# Altium PCB main_io.PcbDoc (part 3 of 3)
Units mm, origin at the board's own origin, x right, y up, seen from the top; angles counter-clockwise.
Board outline 171.45 x 117.09 mm, 4 copper layers (Top Layer, Int1 (GND), Int2 (PWR), Bottom Layer), stack 1.369 mm thick; 229 components, 139 nets, 971 pads, 253 vias.
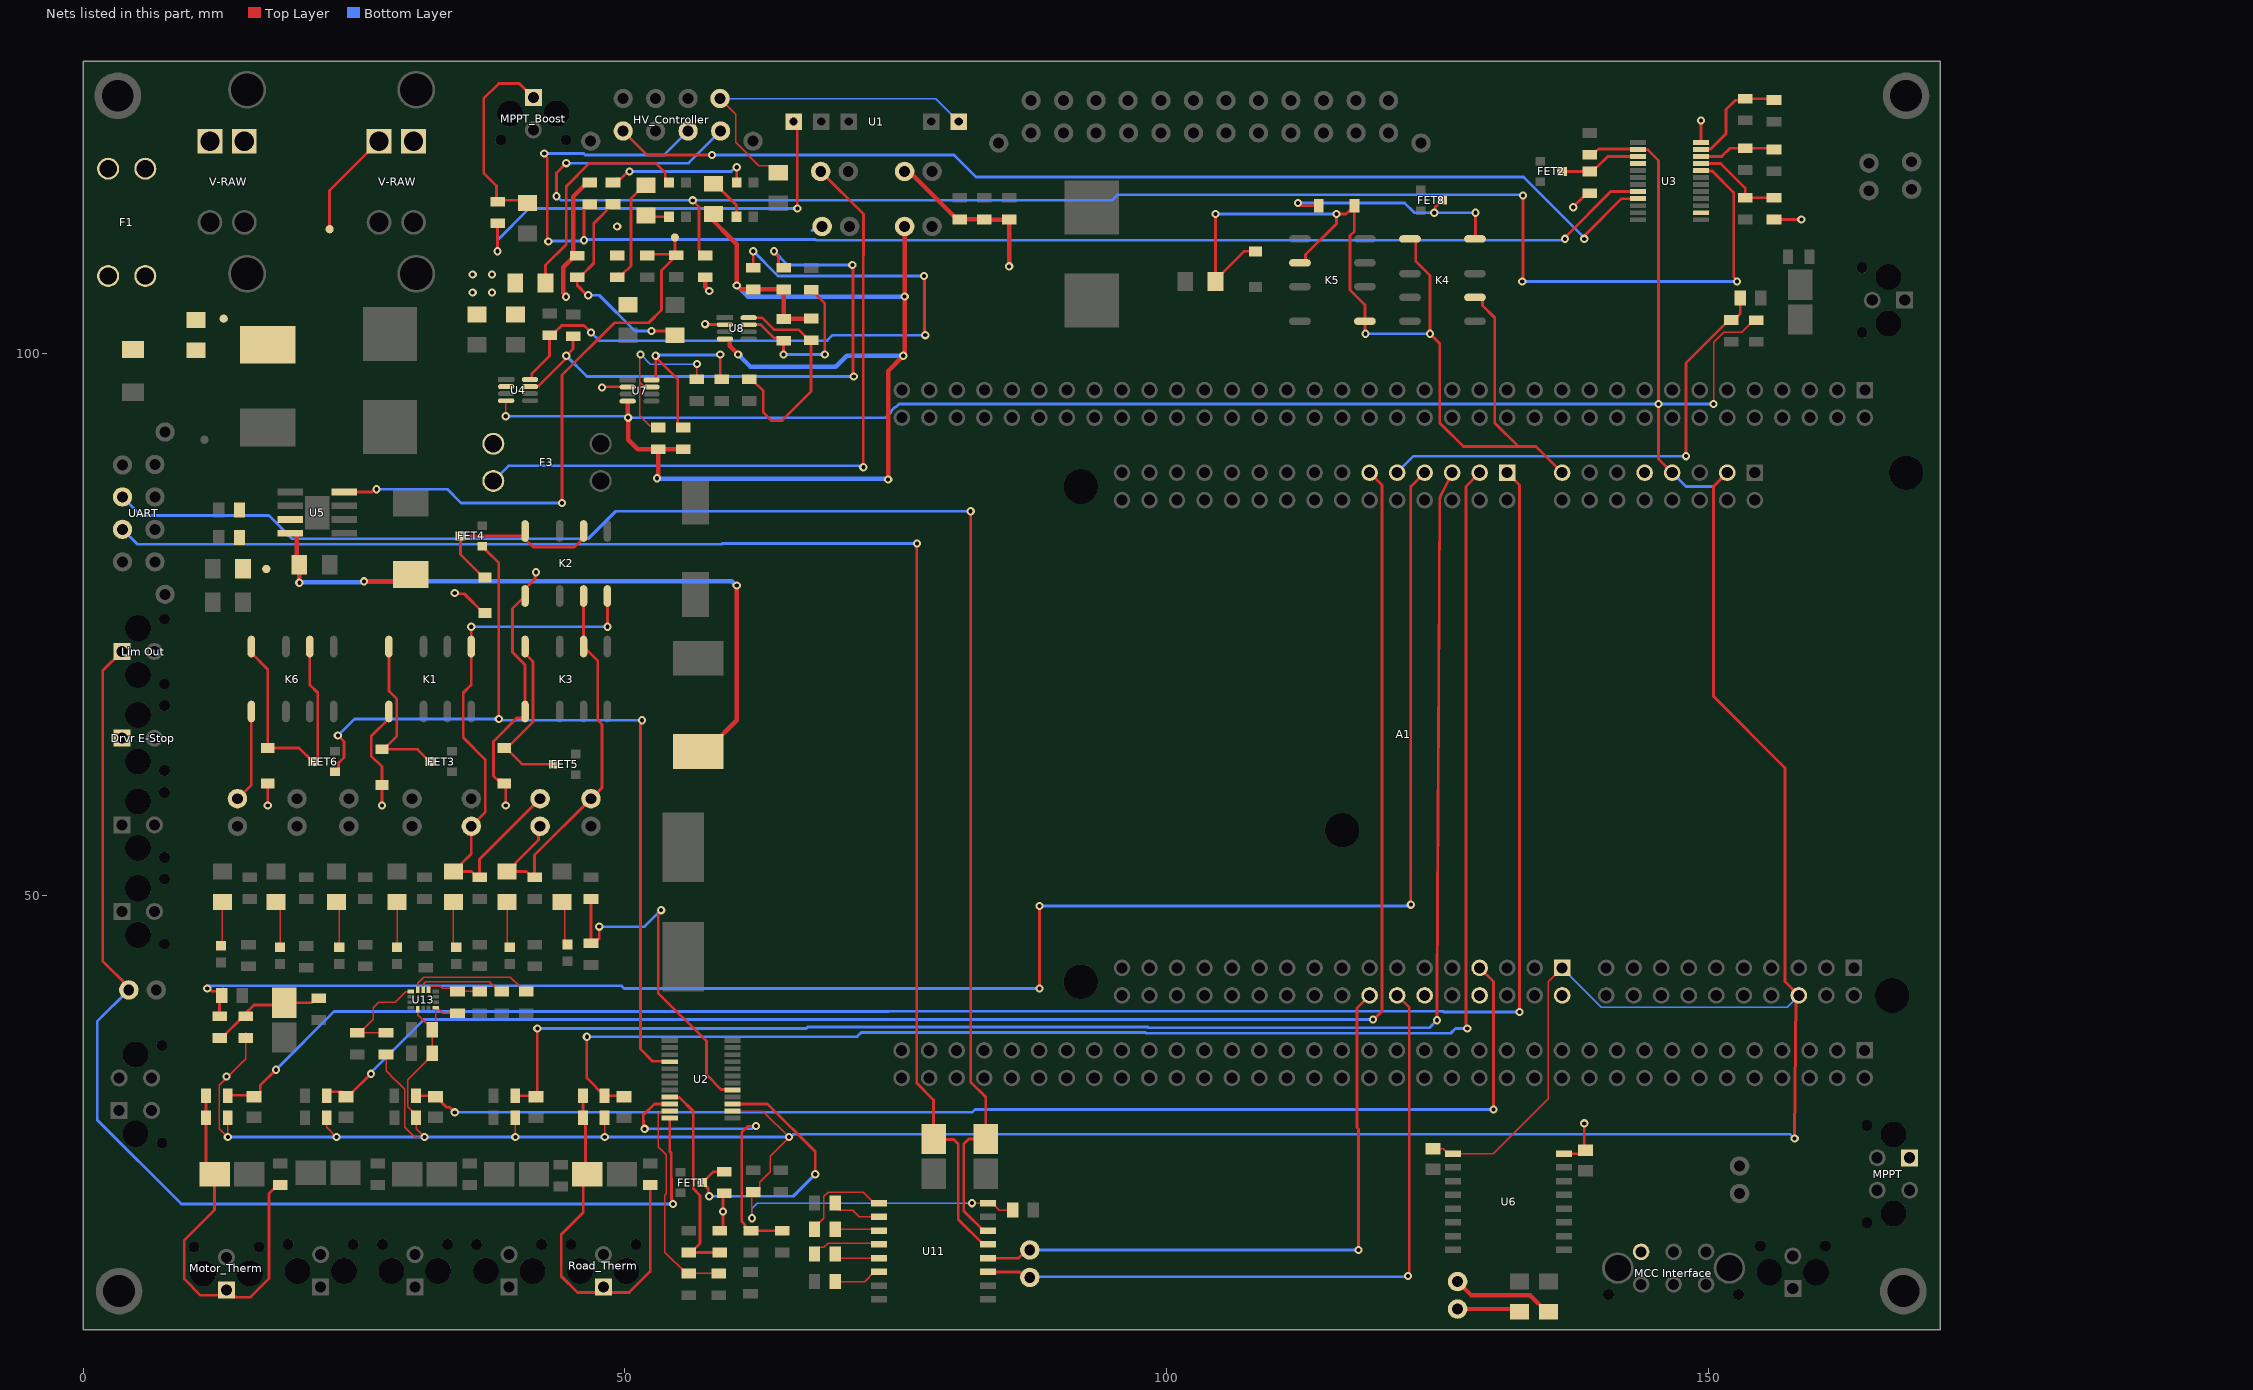
[diagram p5: the nets of this part, all layers, seen from the top]

## Via types
v1: diameter 0.762, hole 0.381, Top Layer to Bottom Layer, 253 vias

## Nets (pads, with @x,y where several pads share a name; then routed paths per layer and width w, separated by ;. In a path a pad name is that pad's centre, name@x,y a point inside that pad or via, vN(x,y) a via of type N, cw(c..) or ccw(c..) an arc to the next point about the centre after c; other vN are vias at no path point) (continued)
MCU_Latch: FET4.1 FET6.1 U2.16 | length 82.9
  Top Layer w0.254: FET6.1@23.225,61.407 23.275,61.407 23.548,61.68 23.548,62.241 24.056,62.749 24.056,64.209 v1(23.495,64.77) ; FET4.1@36.814,82.235 36.864,82.235 37.137,81.962 37.137,81.912 38.354,80.695 v1(38.354,66.294) ; v1(51.562,66.167) 51.465,66.07 51.465,65.794 51.435,65.764 51.435,35.814 52.56,34.689 54.079,34.689 U2.16@54.123,34.645
  Bottom Layer w0.254: v1(23.495,64.77) 25.019,66.294 v1(38.354,66.294) 38.539,66.294 38.666,66.167 v1(51.562,66.167)
MCU_Stat_Fdbk: R48.2 R49.1 U2.5 | length 32.6
  Top Layer w0.254: R48.2@46.863,49.673 R49.1@46.863,45.577 47.186,45.9 47.476,45.9 47.625,46.049 v1(47.625,47.117) ; v1(53.34,48.641) 53.34,48.504 53.066,48.23 53.066,40.995 57.517,36.545 57.517,33.451 58.878,32.089 59.879,32.089 U2.5@59.923,32.045
  Bottom Layer w0.254: v1(47.625,47.117) 51.816,47.117 v1(53.34,48.641)
Motor_Therm: D5.1 Motor_Therm.1 R72.1 R73.1 TH2.2 | length 37.7
  Top Layer w0.254: R73.1@11.319,32.004 R72.1@11.319,29.464 11.319,25.054 D5.1@12.116,24.257 12.116,20.971 9.317,18.172 9.317,14.587 10.823,13.081 12.7,13.081 Motor_Therm.1@13.208,13.589 13.866,12.931 14.12,12.931 14.138,12.913 15.425,12.913 17.145,14.633 17.145,22.466 17.936,23.257 TH2.2@18.161,23.257
MPPT_12V_DR: R2.2 U1.7 | length 40.5
  Top Layer w0.254: v1(38.227,109.474) R2.2@38.227,111.887 ; U1.7@65.57,121.447 65.913,121.104 v1(65.913,113.411)
  Bottom Layer w0.254: v1(38.227,109.474) 38.227,110.49 41.148,113.411 v1(65.913,113.411)
MPPT_BOOST_EN: MPPT_Boost.1 R2.1 R3.2 | length 19.3
  Top Layer w0.254: R2.1@37.708,114.369 38.031,114.046 R2.1@38.144,114.046 ; R2.1@38.227,114.3 38.354,114.173 40.767,114.173 R3.2@41.021,113.919 ; R2.1@38.256,114.046 R2.1@38.144,114.046 ; MPPT_Boost.1@41.538,123.674 40.244,124.968 38.354,124.968 36.957,123.571 36.957,116.697 38.144,115.51 R2.1@38.144,114.046
MPPT_CONT_DR: C2.1 HV_Controller.4 U1.1 | length 32.6
  Top Layer w0.127: HV_Controller.4@58.776,123.571 60.208,122.139 60.208,119.544 62.374,117.377 63.474,117.377 C2.1@64.135,116.716
  Bottom Layer w0.127: HV_Controller.4@58.776,123.571 78.686,123.571 U1.1@80.81,121.447
MPPT_CONT_TELEM: HV_Controller.5 U3.9 | length 99.6
  Top Layer w0.254: HV_Controller.5@49.835,120.574 52.045,118.364 v1(58.039,118.364) ; v1(138.557,110.617) 138.654,110.714 138.654,110.968 142.012,114.326 U3.9@143.531,114.326
  Bottom Layer w0.254: v1(58.039,118.364) 80.391,118.364 82.423,116.332 132.969,116.332 138.557,110.744 v1(138.557,110.617)
NetC53_1: C53.1 U11.3 | length 4.1
  Top Layer w0.127: C53.1@69.403,19.177 73.334,19.177 U11.3@73.461,19.05
NetC53_2: C53.2 U11.1 | length 9.1
  Top Layer w0.127: C53.2@67.503,19.177 67.503,19.352 68.355,20.204 68.355,22.217 68.746,22.608 72.018,22.608 73.036,21.59 U11.1@73.461,21.59
NetC54_1: C54.1 U11.5 | length 4.2
  Top Layer w0.127: C54.1@69.403,16.891 69.784,16.51 U11.5@73.461,16.51
NetC54_2: C54.2 U11.4 | length 6.5
  Top Layer w0.127: C54.2@67.503,16.891 67.503,17.066 67.965,17.528 68.365,17.528 68.746,17.909 73.333,17.909 U11.4@73.461,17.78
NetC55_1: C55.1 U11.2 | length 4.7
  Top Layer w0.127: C55.1@69.403,21.59 69.403,21.415 69.865,20.953 71.015,20.953 71.649,20.32 U11.2@73.461,20.32
NetC56_1: C56.1 U11.6 | length 4.4
  Top Layer w0.127: C56.1@69.403,14.351 72.147,14.351 73.036,15.24 U11.6@73.461,15.24
NetD1_1: D1.1 FET3.2 K1.8 | length 15.2
  Top Layer w0.254: D1.1@27.559,63.489 D1.1@27.714,63.489 ; K1.8@28.204,72.977 28.204,68.858 28.935,68.127 28.935,64.71 D1.1@27.714,63.489 ; FET3.2@32.02,62.357 31.97,62.357 30.838,63.489 D1.1@27.714,63.489
NetD2_1: D2.1 FET4.2 K2.6 K2.8 | length 18.3
  Top Layer w0.254: D2.1@37.084,79.364 36.929,79.364 34.814,81.479 FET4.2@34.814,83.185 40.571,83.185 K2.8@40.777,83.391 ; K2.8@40.777,83.645 K2.8@40.777,83.391 ; K2.6@46.177,83.645 46.177,82.995 45.351,82.169 41.529,82.169 40.777,82.921 K2.8@40.777,83.391
NetD3_1: D3.1 FET5.2 K3.8 | length 16.1
  Top Layer w0.254: K3.8@40.777,72.977 40.777,72.327 41.508,71.596 41.508,66.024 39.428,63.944 39.19,63.944 D3.1@38.862,63.616 39.017,63.616 40.53,62.103 FET5.2@43.45,62.103
NetD4_1: D4.1 R61.1 R65.1 TH1.2 | length 10.3
  Top Layer w0.254: R65.1@12.887,36.957 12.909,36.957 13.121,37.169 13.121,37.191 14.438,38.508 14.438,38.523 14.761,38.846 R61.1@14.986,38.846 ; R61.1@14.888,39.031 15.735,39.878 18.339,39.878 D4.1@18.542,40.081 21.076,40.081 21.492,40.497 TH1.2@21.717,40.497
NetD6_1: D6.1 FET8.2 K4.8 | length 22.7
  Top Layer w0.254: v1(112.141,113.919) 112.395,113.665 D6.1@114.057,113.665 ; v1(124.714,113.03) 124.811,113.127 124.811,113.574 125.349,114.112 125.349,114.173 FET8.2@125.46,114.173 ; K4.8@128.476,110.607 128.524,110.655 v1(128.524,113.03)
  Bottom Layer w0.254: v1(112.141,113.919) 121.982,113.919 122.871,113.03 v1(124.714,113.03) v1(128.524,113.03)
NetD8_1: D8.1 FET6.2 K6.6 K6.8 | length 25.8
  Top Layer w0.254: K6.8@15.504,72.977 15.504,72.38 17.018,70.866 D8.1@17.018,63.616 19.916,63.616 21.175,62.357 FET6.2@21.225,62.357 21.275,62.357 21.635,62.717 21.635,68.707 20.904,69.438 K6.6@20.904,72.977
NetF1_2: F1.2 L2.1 R1.1 TP3.1 | length 1
  Top Layer w0.254: R1.1@10.414,103.124 10.913,103.124 R1.1@10.414,103.124
NetFET1_2: FET1.2 R18.1 U2.3 | length 26.2
  Top Layer w0.254: FET1.2@57.134,23.495 FET1.2@57.184,23.495 ; v1(57.785,22.225) 57.688,22.322 57.688,22.941 57.457,23.172 57.457,23.222 FET1.2@57.184,23.495 ; R18.1@59.182,24.495 58.184,24.495 FET1.2@57.184,23.495 ; U2.3@59.923,30.745 63.17,30.745 67.564,26.351 v1(67.564,24.257)
  Bottom Layer w0.254: v1(57.785,22.225) 65.532,22.225 v1(67.564,24.257)
NetFET2_2: FET2.2 R27.1 U3.3 | length 7.6
  Top Layer w0.254: FET2.2@136.509,116.84 139.049,116.84 R27.1@139.065,116.824 139.388,117.147 139.653,117.147 140.732,118.226 141.822,118.226 U3.3@143.531,118.226
NetK1_5: K1.5 K2.4 P26.2 P31.1 R31.1 R32.1 | length 52.3
  Top Layer w0.254: R31.1@34.163,52.2 R31.1@34.313,52.2 ; P26.2@35.814,56.134 35.814,53.851 34.911,52.948 34.911,52.798 R31.1@34.313,52.2 ; P26.2@35.814,56.388 37.095,57.669 37.095,62.541 35.073,64.563 35.073,68.707 35.804,69.438 K1.5@35.804,72.977 35.804,74.793 v1(35.814,74.803) ; P31.1@42.164,58.928 36.576,53.34 R32.1@36.576,51.673 36.351,51.673 35.824,52.2 R31.1@34.313,52.2 ; K2.4@48.377,77.645 48.382,77.64 48.382,74.808 v1(48.387,74.803)
  Bottom Layer w0.254: v1(35.814,74.803) v1(48.387,74.803)
NetK2_3: K2.3 K3.6 P31.2 P32.1 R47.1 R50.1 | length 37.4
  Top Layer w0.254: R47.1@39.116,52.2 R47.1@39.266,52.2 ; P31.2@42.164,56.388 42.023,56.247 42.023,55.107 39.864,52.948 39.864,52.798 R47.1@39.266,52.2 ; K2.3@46.177,77.645 K3.6@46.177,72.977 47.498,71.656 47.498,66.172 47.879,65.791 47.879,59.944 P32.1@46.863,58.928 41.656,53.721 R50.1@41.656,51.673 41.431,51.673 40.904,52.2 R47.1@39.266,52.2
NetL1_1: L1.1 R1.2
NetLED1_1: LED1.1 R4.2 | length 4.2
  Top Layer w0.127: LED1.1@28.956,45.225 R4.2@28.956,49.4
NetLED2_1: LED2.1 R11.2 | length 21.1
  Top Layer w0.254: R11.2@42.672,106.553 42.672,108.204 44.577,110.109 44.577,115.443 46.736,117.602 52.832,117.602 53.708,116.726 53.708,115.722 LED2.1@53.708,115.697
NetLED3_1: LED3.1 R31.2 | length 4.2
  Top Layer w0.127: LED3.1@34.163,45.225 R31.2@34.163,49.4
NetLED4_1: LED4.1 R34.2 | length 4.3
  Top Layer w0.127: LED4.1@12.485,45.352 LED4.1@12.612,45.479 ; LED4.1@12.7,45.352 12.827,45.479 R34.2@12.827,49.4
NetLED5_1: LED5.1 R35.2 | length 4.7
  Top Layer w0.127: R35.2@17.78,49.4 18.161,49.019 LED5.1@18.161,45.225 LED5.1@18.415,45.479
NetLED6_1: LED6.1 R9.1 | length 13.1
  Top Layer w0.254: R9.1@48.895,115.824 49.218,116.147 49.599,116.147 v1@50.139,116.687 ; LED6.1@60.253,115.883 LED6.1@60.312,115.824 ; LED6.1@60.319,115.949 v1@60.319,117.215
  Top Layer w0.406: LED6.1@60.253,115.883 LED6.1@60.319,115.949 ; v1@60.319,117.215 v1(60.325,117.221)
  Bottom Layer w0.254: v1(50.419,116.84) 59.807,116.84 60.188,117.221 v1(60.325,117.221)
NetLED7_1: LED7.1 R37.2 | length 4.3
  Top Layer w0.127: R37.2@23.368,49.4 23.622,49.146 LED7.1@23.622,45.225
NetLED8_1: LED8.1 R46.2 | length 4.2
  Top Layer w0.127: R46.2@44.196,49.4 44.45,49.146 LED8.1@44.45,45.355
NetLED9_1: LED9.1 R47.2 | length 4.2
  Top Layer w0.127: LED9.1@39.116,45.225 R47.2@39.116,49.4
NetLED10_1: LED10.1 R13.2 | length 4
  Top Layer w0.254: R13.2@58.166,115.703 58.316,115.703 60.299,113.72 LED10.1@60.299,112.649
NetLED11_1: LED11.1 R89.2 | length 2.2
  Top Layer w0.254: R89.2@51.943,112.773 52.067,112.649 LED11.1@54.076,112.649
NetP38_1: P38.1 R52.2 | length 5.8
  Top Layer w0.381: P38.1@126.873,11.811 132.331,11.811 R52.2@132.588,11.554
NetP38_2: P38.2 R55.2 | length 9.5
  Top Layer w0.381: P38.2@126.873,14.351 128.14,13.084 133.575,13.084 135.105,11.554 R55.2@135.255,11.554
NetR7_2: R7.2 R8.2 R9.2 | length 19.9
  Top Layer w0.254: v1@46.513,105.41 45.593,106.33 R8.2@45.593,107.061 45.818,107.061 46.037,107.28 47.117,108.36 47.117,112.046 R9.2@48.895,113.824 ; v1(52.451,102.108) 54.223,102.108 R7.2@54.628,101.703
  Top Layer w0.406: v1@46.513,105.41 v1(46.609,105.41)
  Bottom Layer w0.254: v1(46.609,105.41) 47.625,105.41 50.927,102.108 v1(52.451,102.108)
NetR14_2: R14.2 R16.2 U2.23 | length 20.1
  Top Layer w0.127: U2.23@54.123,30.095 54.015,29.988 53.241,29.988 53.055,29.802 53.055,26.818 53.824,26.049 53.824,22.465 53.678,22.319 53.678,17.074 55.655,15.097 R16.2@55.88,15.097 R14.2@58.674,15.097
NetR17_2: R17.2 R19.2 U2.22 | length 28.6
  Top Layer w0.254: v1(51.816,28.448) 51.719,28.545 51.719,29.191 51.689,29.22 51.689,29.718 52.716,30.745 U2.22@54.123,30.745 ; v1(62.103,28.702) 62.093,28.692 61.341,28.692 60.793,28.144 60.793,19.878 61.089,19.582 61.089,19.357 61.412,19.034 R19.2@61.637,19.034 R17.2@64.516,19.034
  Bottom Layer w0.254: v1(51.816,28.448) 61.712,28.448 61.966,28.702 v1(62.103,28.702)
NetR20_2: R20.2 R21.1 U2.21 | length 19.3
  Top Layer w0.254: U2.21@54.123,31.395 54.167,31.351 55.031,31.351 56.303,30.079 56.303,22.937 56.936,22.304 56.936,17.865 R21.1@56.105,17.034 ; R21.1@55.88,17.034 R21.1@56.105,17.034 ; R20.2@58.759,17.034 R21.1@56.105,17.034
NetR23_2: R23.2 R25.2 U3.23 | length 10.2
  Top Layer w0.254: U3.23@149.331,118.876 149.375,118.92 150.239,118.92 151.638,120.319 151.638,122.541 152.509,123.412 153.371,123.412 153.514,123.555 R25.2@156.083,123.555 ; R25.2@156.083,123.428 R25.2@156.308,123.428
NetR26_2: R26.2 R28.2 U3.22 | length 7.1
  Top Layer w0.254: U3.22@149.331,118.226 151.246,118.226 152.003,118.983 R28.2@153.416,118.983 R26.2@156.083,118.983
NetR29_2: R29.2 R30.1 U3.21 | length 8.6
  Top Layer w0.254: U3.21@149.331,117.576 151.156,117.576 153.416,115.316 R30.1@153.416,114.411 R29.2@156.083,114.411
NetR43_1: R43.1 R88.2 R89.1 | length 9.9
  Top Layer w0.254: R43.1@49.022,107.077 49.247,107.077 49.247,107.204 R43.1@49.443,107.4 ; R43.1@49.831,107.4 50.546,108.115 50.546,114.326 51.793,115.573 R89.1@51.943,115.573 ; R88.2@50.142,104.524 R88.2@50.292,104.524
NetR56_1: R56.1 R58.2 U4.7 | length 54.8
  Top Layer w0.127: U4.7@40.569,96.972 U4.7@41.232,96.972 ; v1(70.993,108.204) v1@71.056,108.14
  Top Layer w0.254: U4.7@41.727,97.01 41.938,97.01 41.941,97.014 42.01,97.014 44.48,99.484 44.48,99.725 45.212,100.457 R58.2@45.212,101.632 ; v1@63.754,109.378 64.171,108.961 R56.1@64.171,108.197 ; v1@71.056,108.14 71.056,97.98 v1(71.12,97.917)
  Top Layer w0.406: U4.7@41.232,96.972 U4.7@41.727,96.972 ; v1@63.754,109.378 v1(63.754,109.474) ; R56.1@64.171,108.197 64.418,107.95 R56.1@64.643,107.95
  Bottom Layer w0.254: v1(44.577,99.822) 46.482,97.917 v1(71.12,97.917) ; v1(63.754,109.474) 65.024,108.204 v1(70.993,108.204)
NetR57_1: R57.1 R59.2 U4.8 | length 64.6
  Top Layer w0.254: U4.8@41.232,97.622 41.309,97.622 41.402,97.715 41.402,98.171 43.022,99.791 43.022,101.404 43.093,101.404 43.14,101.451 43.555,101.451 43.555,102.004 44.167,102.616 46.228,102.616 v1(46.863,101.981) ; R57.1@61.849,107.95 v1(61.849,109.474) ; v1(77.597,107.188) 77.66,107.124 77.66,101.79 v1(77.724,101.727)
  Bottom Layer w0.254: v1(46.863,101.981) 47.625,101.219 68.645,101.219 69.153,101.727 v1(77.724,101.727) ; v1(61.849,109.474) 64.135,107.188 v1(77.597,107.188)
NetR60_1: R60.1 R63.2 U7.7 | length 15.5
  Top Layer w0.127: v1(51.435,99.949) 51.381,99.895 51.381,97.355 ; U7.7@51.837,96.931 51.732,97.036 51.7,97.036 51.381,97.355 ; R60.1@53.086,93.202 52.914,93.374 52.295,93.374 51.381,94.288 51.381,97.355 ; R63.2@56.642,97.647 v1(56.642,99.06)
  Bottom Layer w0.127: v1(51.435,99.949) 52.324,99.06 v1(56.642,99.06)
NetR62_1: R62.1 R64.2 U7.8 | length 18.3
  Top Layer w0.254: U7.8@52.832,97.581 52.832,99.568 v1(52.832,99.822) ; v1@52.959,99.822 52.959,99.568 54.864,97.663 54.864,93.525 55.187,93.202 R62.1@55.372,93.202 ; v1(58.801,99.949) 58.801,97.774 R64.2@58.928,97.647
  Bottom Layer w0.254: v1(52.832,99.822) 52.895,99.885 58.737,99.885 v1(58.801,99.949)
NetR66_1: R66.1 R68.2 U8.7 | length 15.3
  Top Layer w0.127: R68.2@66.958,105.918 R68.2@67.183,105.918
  Top Layer w0.254: U8.7@61.722,102.743 61.76,102.705 62.522,102.705 63.748,101.479 64.415,101.479 R66.1@64.643,101.251 ; v1(64.643,99.949) R66.1@64.643,101.219 ; R68.2@67.19,105.918 67.437,105.671 68.453,104.655 v1(68.453,99.949)
  Top Layer w0.406: R68.2@67.183,105.918 R68.2@67.19,105.918
  Bottom Layer w0.254: v1(64.643,99.949) v1(68.453,99.949)
NetR67_1: R67.1 R69.2 U8.8 | length 20.7
  Top Layer w0.127: R67.1@66.606,101.631 R67.1@66.993,101.245
  Top Layer w0.254: U8.8@61.425,103.337 62.652,103.337 63.754,102.235 66.002,102.235 R67.1@66.606,101.631 ; R69.2@61.468,97.647 61.693,97.647 62.774,96.566 62.774,94.579 63.5,93.853 64.516,93.853 67.183,96.52 R67.1@67.183,101.251
NetR121_2: R121.2 U13.13 | length 8.2
  Top Layer w0.127: U13.13@31.369,41.296 31.369,41.792 31.587,42.01 37.492,42.01 37.983,41.519 38.221,41.519 R121.2@38.608,41.132
NetR122_2: R122.2 U13.14 | length 11.2
  Top Layer w0.127: U13.14@30.861,41.529 30.861,41.912 31.403,42.454 39.429,42.454 40.283,41.601 40.283,41.519 40.669,41.132 R122.2@40.894,41.132
NetR124_1: R124.1 R127.2 U13.12 | length 5.2
  Top Layer w0.127: U13.12@31.869,41.296 31.869,41.426 31.98,41.538 32.001,41.538 32.092,41.629 32.966,41.629 33.168,41.426 R124.1@34.533,41.426 ; R124.1@34.544,41.132 R127.2@36.576,41.132 R127.2@36.592,41.116 ; R124.1@34.827,41.243 R124.1@35.052,41.243
NetR125_1: R125.1 R126.2 U13.1 | length 9.6
  Top Layer w0.127: R126.2@25.273,37.322 R126.2@25.498,37.322 ; R125.1@27.94,37.322 R126.2@25.498,37.322 ; U13.1@30.209,41.136 30.201,41.129 29.772,41.129 28.776,40.132 27.255,40.132 26.741,39.619 26.741,38.566 25.884,37.709 R126.2@25.498,37.322
PH: C4.2 D9.2 L3.1 U5.8 | length 67.1
  Top Layer w0.254: v1@19.936,78.87 v1(19.939,78.867) ; C4.2@19.936,80.518 C4.2@19.936,80.693 ; D9.2@29.594,78.994 D9.2@30.226,79.626 ; L3.1@56.769,63.282 L3.1@57.495,64.008
  Top Layer w0.406: U5.8@19.113,83.439 19.577,83.439 19.685,83.331 19.685,80.944 C4.2@19.936,80.693 ; v1@19.936,78.87 C4.2@19.936,80.518 ; v1(25.908,78.994) D9.2@29.594,78.994 ; L3.1@58.039,63.881 60.325,66.167 v1(60.325,78.613)
  Bottom Layer w0.254: v1(19.939,78.867) v1@20.002,78.93 ; v1@25.845,78.93 v1(25.908,78.994) ; v1@60.198,78.74 v1(60.325,78.613)
  Bottom Layer w0.406: v1@20.002,78.93 v1@25.845,78.93 ; v1(25.908,78.994) 59.848,78.994 60.161,78.681 v1@60.209,78.729
PPC_DCDC_VALID: HV_Controller.7 R54.1 U3.8 | length 128.8
  Top Layer w0.254: v1(42.545,118.491) 42.545,118.372 42.829,118.088 42.829,110.46 v1(42.926,110.363) ; v1(46.228,110.49) 46.228,113.485 46.551,113.808 R54.1@46.736,113.808 ; v1@136.779,110.744 141.011,114.976 U3.8@143.531,114.976
  Bottom Layer w0.254: v1(42.545,118.491) 46.185,118.491 46.312,118.364 53.619,118.364 HV_Controller.7@55.829,120.574 ; v1(42.926,110.363) 42.989,110.426 46.164,110.426 46.291,110.553 67.594,110.553 67.668,110.479 136.504,110.479 136.769,110.744 v1@136.779,110.744
  other v1: 136.779,110.617
PPC_SUPPL_VALID: HV_Controller.8 R53.1 U3.20 | length 154
  Top Layer w0.254: v1(43.688,114.554) 43.688,116.713 v1(44.577,117.602) ; v1(56.261,114.173) 56.261,114.151 56.843,113.569 56.843,109.549 56.856,109.536 56.856,109.387 R53.1@57.15,109.093 ; v1(132.842,106.68) 132.905,106.743 v1(132.905,114.617) ; U3.20@149.331,116.926 149.375,116.882 150.376,116.882 152.36,114.898 152.36,107.083 152.654,106.789 v1(152.654,106.68)
  Bottom Layer w0.254: v1(43.688,114.554) 43.71,114.554 44.091,114.173 94.963,114.173 95.471,114.681 132.842,114.681 v1(132.905,114.617) v1@132.969,114.554 ; v1(44.577,117.602) 55.855,117.602 HV_Controller.8@58.826,120.574 ; v1(132.842,106.68) v1(152.654,106.68)
Precharge_EN: U3.14
Pwr_Crit: A1.CN10_2
Pwr_TC: A1.CN10_12
Pwr_Warn: A1.CN10_8
Road_Therm: D17.1 R115.1 R116.1 Road_Therm.1 TH5.2 | length 36.4
  Top Layer w0.254: R116.1@46.117,31.496 R115.1@46.117,29.464 46.355,29.226 46.355,25.054 47.152,24.257 46.149,23.254 46.149,20.716 44.115,18.682 44.115,14.841 45.621,13.335 47.498,13.335 Road_Therm.1@48.006,13.843 48.514,13.335 50.391,13.335 52.324,15.268 TH5.2@52.324,23.297
Shift_Stat: U3.4
TELEM_THERM_AIR: A1.CN9_11 C62.1 R112.2 | length 151.1
  Top Layer w0.254: R112.2@22.463,31.877 23.871,31.877 24.257,31.491 24.493,31.491 26.53,33.528 v1(26.543,33.528) ; A1.CN9_11@118.745,89.027 119.891,87.881 119.891,39.308 119.128,38.544 v1(119.064,38.544)
  Bottom Layer w0.254: v1(26.543,33.528) 26.543,33.655 31.432,38.544 v1(119.064,38.544)
TELEM_THERM_BOARD: A1.CN9_7 C12.1 R65.2 | length 163.1
  Top Layer w0.254: v1(11.43,41.402) 11.567,41.402 11.821,41.148 12.573,41.148 C12.1@12.893,41.148 ; 12.573,39.354 12.573,41.082 C12.1@12.893,41.402 ; v1(88.265,41.402) v1(88.265,49.022) ; v1(122.555,49.149) 122.555,87.757 A1.CN9_7@123.825,89.027
  Bottom Layer w0.254: v1@11.43,41.656 49.672,41.656 49.926,41.402 v1(88.265,41.402) ; v1(88.265,49.022) 122.291,49.022 122.418,49.149 v1(122.555,49.149)
TELEM_THERM_BRK: A1.CN9_9 C68.1 R120.2 | length 44.2
  Top Layer w0.254: v1(147.955,90.551) 147.955,99.158 151.921,103.124 R120.2@152.146,103.124 152.371,103.124 152.974,103.727 C68.1@152.974,105.156
  Bottom Layer w0.254: A1.CN9_9@121.285,89.027 122.809,90.551 v1(147.955,90.551)
TELEM_THERM_DCDC: A1.CN10_7 C63.1 R114.2 | length 113.9
  Top Layer w0.254: R114.2@30.702,31.496 32.446,31.496 C63.1@32.512,31.43 32.687,31.43 33.085,31.032 33.085,30.901 33.55,30.436 33.826,30.436 v1(34.29,29.972) ; A1.CN10_7@128.905,43.307 130.175,42.037 v1(130.175,30.226)
  Bottom Layer w0.254: v1(34.29,29.972) 82.057,29.972 82.311,30.226 v1(130.175,30.226)
TELEM_THERM_MC_EXT: A1.CN9_5 C67.1 R119.2 | length 142.5
  Top Layer w0.254: R119.2@39.862,31.496 41.717,31.496 C67.1@41.783,31.43 41.91,31.557 v1(41.91,37.719) ; v1(124.968,38.481) 124.97,38.483 124.97,39.717 124.971,39.718 124.971,40.761 125.219,86.494 cw(c126.365,86.487) 125.342,87.004 A1.CN9_5@126.365,89.027
  Bottom Layer w0.254: v1(41.91,37.719) 66.735,37.719 66.859,37.843 98.257,37.843 98.318,37.782 124.269,37.782 v1(124.968,38.481)
TELEM_THERM_MOTOR: A1.CN9_1 C14.1 R73.2 | length 173.4
  Top Layer w0.254: R73.2@13.319,32.004 13.319,31.88 13.642,31.557 16.05,31.557 16.321,31.828 16.321,32.45 v1(17.78,33.909) ; A1.CN9_1@131.445,89.027 132.591,87.881 132.591,39.246 v1(132.588,39.243)
  Bottom Layer w0.254: v1(17.78,33.909) 23.156,39.285 74.327,39.285 74.348,39.306 125.519,39.306 125.583,39.243 v1(132.588,39.243)
TELEM_THERM_ROAD: A1.CN9_3 C66.1 R116.2 | length 141.2
  Top Layer w0.254: v1(46.482,36.957) 46.482,33.131 R116.2@48.117,31.496 C66.1@49.67,31.496 ; v1(127.762,37.719) 127.665,37.816 127.665,38.092 127.635,38.122 127.635,87.757 A1.CN9_3@128.905,89.027
  Bottom Layer w0.254: v1(46.482,36.957) 71.433,36.957 71.811,37.335 98.047,37.335 98.107,37.274 126.241,37.274 126.686,37.719 v1(127.762,37.719)
UART_RXD: A1.CN10_16 P24.1 U11.12 | length 58.6
  Top Layer w0.254: U11.12@83.511,16.51 86.326,16.51 87.088,17.272 P24.1@87.376,17.272 ; v1(117.729,17.272) 117.729,28.43 117.579,28.58 117.579,39.601 A1.CN10_16@118.745,40.767
  Bottom Layer w0.254: P24.1@87.376,17.272 v1(117.729,17.272)
UART_RXD_RS232: D14.2 U11.13 UART.2 | length 142.7
  Top Layer w0.254: v1(76.962,82.486) 76.939,82.463 76.939,32.672 78.486,31.125 D14.2@78.486,27.508 78.527,27.467 80.356,27.467 80.772,27.051 80.772,20.094 83.086,17.78 U11.13@83.511,17.78
  Bottom Layer w0.254: UART.2@3.607,83.795 4.978,82.423 58.907,82.423 58.971,82.486 v1(76.962,82.486)
UART_TXD: A1.CN10_14 P24.2 U11.11 | length 65.5
  Top Layer w0.254: U11.11@83.511,15.24 86.45,15.24 86.958,14.732 P24.2@87.376,14.732 ; A1.CN10_14@121.285,40.767 122.411,39.641 122.411,15.262 122.398,15.249 122.398,14.956 v1(122.301,14.859)
  Bottom Layer w0.254: P24.2@87.376,14.732 87.439,14.795 122.237,14.795 v1(122.301,14.859)
UART_TXD_RS232: D13.2 U11.14 UART.3 | length 150.9
  Top Layer w0.254: v1(81.915,85.471) 81.915,32.776 83.312,31.379 D13.2@83.312,27.508 81.737,27.508 81.28,27.051 81.28,20.856 83.086,19.05 U11.14@83.511,19.05
  Bottom Layer w0.254: UART.3@3.607,86.792 5.334,85.065 17.141,85.065 19.274,82.931 46.609,82.931 49.149,85.471 v1(81.915,85.471)
V-BUS_FILT: C5.1 C6.1 C7.1 F3.1 P23.1 R10.2 R11.1 R12.2 TP4.1 U4.2 U5.7 | length 65.2
  Top Layer w0.254: C5.1@14.412,85.598 C5.1@14.478,85.664 ; R10.2@36.172,103.635 R10.2@36.322,103.635 ; F3.1@37.443,88.265 F3.1@37.846,88.265 ; U4.2@38.993,96.934 U4.2@39.032,96.972 ; R12.2@39.878,103.638 R12.2@40.028,103.638 ; R12.2@39.953,103.713 R12.2@40.132,103.892 ; P23.1@68.072,116.84 72.02,112.892 72.02,109.07 72.009,109.059 v1(72.009,89.535)
  Bottom Layer w0.254: F3.1@37.846,88.265 39.243,89.662 71.606,89.662 71.636,89.633 71.912,89.633 v1(72.009,89.535) ; P23.1@67.788,116.556 P23.1@68.072,116.84
  other v1: 35.941,105.664 37.719,105.664 35.941,107.315 37.719,107.315
V-POS3.3V: A1.CN7_6 A1.CN8_3 A1.CN8_7 A1.CN10_1 C1.2@124.587,26.604 C57.1 C64.1 C65.1 P11.1 R13.1 R15.2 R24.2 R56.2 R57.2 R60.2 R61.2 R62.2 R66.2 R67.2 R72.2 R111.2 R113.2 R115.2 R117.2 R118.2 R124.2 R125.2 U2.2 U3.2 U4.4 U6.1 U7.4 U8.4 U11.16 U13.5 U13.8 | length 622.7
  Top Layer w0.127: v1(13.208,33.274) v1@13.271,33.21 ; R72.2@13.319,29.464 13.335,29.448 v1(13.335,27.686) 12.551,28.47 12.551,32.49 v1@13.271,33.21 ; 14.986,37.354 R61.2@14.986,36.846 14.986,34.925 v1@13.271,33.21 ; R111.2@22.463,29.464 22.479,29.448 22.479,28.575 v1(23.368,27.686) ; R125.2@28.165,35.322 R125.2@27.94,35.322 27.94,33.81 28.794,32.956 28.816,32.956 29.68,32.092 29.68,28.613 30.607,27.686 v1(31.496,27.686) 30.734,28.448 30.734,29.448 R113.2@30.718,29.464 30.718,29.689 29.934,30.472 29.934,33 32.192,35.258 C64.1@32.192,35.433 C65.1@32.192,37.592 ; U13.5@30.869,39.476 30.869,38.98 31.621,38.229 31.731,38.229 32.192,37.767 C65.1@32.192,37.592 ; R124.2@35.052,39.132 R124.2@34.544,39.132 33.163,39.132 32.659,39.636 U13.8@32.529,39.636 32.529,37.929 C65.1@32.192,37.592 ; v1(38.989,94.234) 38.989,95.629 U4.4@39.032,95.672 ; R117.2@39.862,29.464 39.878,29.448 v1(39.878,27.686) ; R115.2@48.117,29.464 48.133,29.448 v1(48.133,27.686) ; U7.4@50.25,95.631 U7.4@50.292,95.589 ; R62.2@55.26,91.202 R62.2@55.372,91.202 ; U2.2@59.923,30.095 62.742,30.095 v1(65.151,27.686) 63.397,25.932 63.397,24.468 62.46,23.532 62.46,22.882 62.074,22.495 61.849,22.495 61.722,22.368 v1(61.722,20.193) ; v1(82.042,21.59) U11.16@83.511,21.59 83.936,21.59 84.571,20.955 C57.1@85.791,20.955 ; C1.2@124.587,26.604 125.56,26.604 126.002,26.162 U6.1@126.452,26.162 130.175,26.162 135.255,31.242 135.255,42.037 A1.CN10_1@136.525,43.307 ; v1(150.495,95.377) 150.495,101.047 151.433,101.985 153.084,101.985 154.207,103.108 R118.2@154.432,103.108
  Top Layer w0.254: R24.2@139.065,118.38 139.388,118.703 139.658,118.703 139.875,118.92 143.487,118.92 U3.2@143.531,118.876 143.575,118.832 144.439,118.832 145.415,117.856 v1(145.415,95.377) 145.415,90.297 A1.CN8_7@146.685,89.027 ; A1.CN8_3@151.765,89.027 150.495,87.757 150.495,68.387 157.099,61.783 157.099,42.037 A1.CN7_6@158.369,40.767 158.179,40.577 158.106,40.503 157.973,27.812 157.973,27.574 v1(157.988,27.559)
  Top Layer w0.406: U7.4@50.25,95.631 50.25,94.149 v1(50.292,94.107) 50.292,92.075 51.181,91.186 R60.2@53.086,91.186 ; v1(52.959,88.519) 52.959,88.615 53.086,88.742 R60.2@53.086,91.186 ; R60.2@53.086,91.202 R60.2@53.086,91.186 ; R62.2@55.26,91.202 55.244,91.186 R60.2@53.086,91.186 ; R13.1@57.531,112.9 60.325,110.106 v1(60.325,106.299) 60.378,106.299 60.727,105.95 R57.2@61.849,105.95 R56.2@64.643,105.95 R66.2@64.643,103.219 64.659,103.235 67.167,103.235 R67.2@67.183,103.251 ; 59.69,101.092 59.69,100.711 v1(60.452,99.949) ; v1(74.295,88.392) 74.295,98.425 v1(75.692,99.822) 75.819,99.949 v1(75.819,105.283) P11.1@75.819,111.76
  Bottom Layer w0.127: v1(52.959,88.519) v1@53.023,88.456 ; v1(61.722,20.193) 61.722,21.082 62.23,21.59 v1(82.042,21.59) ; A1.CN10_1@136.525,43.307 137.226,42.606 137.226,42.599 140.141,39.685 157.287,39.685 A1.CN7_6@158.369,40.767
  Bottom Layer w0.254: v1@13.271,27.749 v1(13.335,27.686) v1(23.368,27.686) v1(31.496,27.686) v1(39.878,27.686) v1(48.133,27.686) v1(65.151,27.686) 65.288,27.686 65.542,27.94 157.585,27.94 157.966,27.559 v1(157.988,27.559) ; v1(38.989,94.234) v1@50.397,94.234 ; v1@50.41,94.221 v1(50.292,94.107) 74.034,94.107 74.534,94.606 cw(c75.565,94.107) 75.066,95.138 75.304,95.377 v1(145.415,95.377) v1(150.495,95.377) ; A1.CN8_7@146.685,89.027 147.955,87.757 150.495,87.757 A1.CN8_3@151.765,89.027
  Bottom Layer w0.406: v1@53.023,88.456 74.231,88.456 v1(74.295,88.392) ; v1(60.325,106.299) 61.341,105.283 v1(75.819,105.283) ; v1(60.452,99.949) 61.582,98.819 69.469,98.819 70.472,99.822 v1(75.692,99.822)
V-POS5V: "Lim Out.1" "Lim OUt.1" A1.CN8_9 C10.2 P16.1 R8.1 R18.2 R20.1 R27.2 R29.1 R53.2 R54.2 R78.2 R79.2 R80.2 U2.24 U3.24 U6.16 U8.2 | length 157.5
  Top Layer w0.254: 3.556,72.517 1.778,70.739 1.778,43.942 4.191,41.529 4.191,41.275 ; R54.2@46.188,115.485 46.511,115.808 R54.2@46.736,115.808 ; U2.24@54.123,29.445 54.123,26.379 54.269,26.233 54.269,23.916 54.303,23.882 54.303,21.987 54.338,21.952 54.338,21.613 v1(54.435,21.516) ; v1(57.404,102.743) 57.432,102.715 59.71,102.715 U8.2@59.738,102.687 ; R53.2@57.404,107.077 R53.2@57.531,106.95 ; R20.1@58.759,19.034 59.055,19.33 v1(59.055,20.828) 59.055,22.368 R18.2@59.182,22.495 ; P16.1@75.819,116.84 76.115,116.544 P16.1@76.541,116.544 ; R80.2@80.674,112.411 R80.2@80.899,112.411 ; U6.16@136.692,26.162 138.369,26.162 C10.2@138.684,26.477 138.557,26.604 v1(138.557,28.956) ; v1(137.541,113.538) 138.504,114.501 138.742,114.501 R27.2@139.065,114.824 ; U3.24@149.331,119.526 149.352,119.547 v1(149.352,121.539) ; R29.1@156.083,112.411 156.087,112.407 v1(158.603,112.407)
  Top Layer w0.406: v1(44.548,105.267) 44.548,105.363 44.294,105.617 44.294,107.987 R8.1@45.368,109.061 ; R8.1@45.593,109.061 R8.1@45.368,109.061 ; R54.2@46.188,115.485 45.212,114.509 45.212,109.217 R8.1@45.368,109.061 ; R53.2@57.404,107.077 57.404,106.193 57.785,105.812 v1(57.785,105.791) ; P16.1@76.541,116.544 R80.2@80.674,112.411 ; R80.2@80.899,112.411 R79.2@83.185,112.411 R79.2@83.328,112.268 ; R79.2@83.455,112.395 R78.2@85.455,112.395 ; v1@85.471,107.95 R78.2@85.471,112.411
  Bottom Layer w0.254: 4.191,41.275 1.27,38.354 1.27,29.286 9.04,21.516 v1(54.435,21.516)
  other v1: 85.471,108.077
V-POS12V: "Drvr E-Stop.1" "MCC Interface.1" A1.CN8_15 D1.2 D2.2 D3.2 D6.2 D7.2 D8.2 F2.1 K1.1 K2.1 K3.1 K4.1 K4.6 K5.1 K5.6 K6.1 MPPT.1 P19.1 P27.1 R43.2 U7.2 | length 148.7
  Top Layer w0.254: P27.1@14.224,58.928 15.504,60.208 K6.1@15.504,66.977 ; v1(17.018,58.293) D8.2@17.018,60.336 ; v1(27.559,58.293) D1.2@27.559,60.209 27.559,61.885 26.568,62.876 26.568,64.691 28.204,66.327 K1.1@28.204,66.977 ; v1(34.29,77.927) 34.366,77.851 35.162,77.851 36.929,76.084 D2.2@37.084,76.084 ; v1(38.989,58.293) 38.989,60.209 D3.2@38.862,60.336 38.534,60.664 38.238,60.664 37.871,61.031 37.871,64.229 40.046,66.404 40.571,66.404 40.777,66.61 K3.1@40.777,66.977 40.777,71.293 39.624,72.446 39.624,76.492 K2.1@40.777,77.645 40.777,78.295 41.686,79.204 41.686,79.735 v1(41.783,79.832) ; K2.1@40.603,77.09 K2.1@40.685,77.171 ; v1@47.879,96.973 49.541,96.973 49.544,96.969 50.212,96.969 U7.2@50.25,96.931 ; v1(104.521,112.903) F2.1@104.521,106.827 ; F2.1@104.524,106.68 104.521,106.683 F2.1@104.521,106.827 ; D7.2@108.204,109.463 107.157,109.463 F2.1@104.521,106.827 ; K5.6@112.316,108.407 112.633,108.407 112.839,108.613 112.839,109.154 115.697,112.012 v1(115.697,112.903) 116.575,112.903 116.854,113.182 117.009,113.182 D6.2@117.337,113.51 ; D6.2@117.337,113.665 D6.2@117.337,113.51 ; D6.2@117.665,113.182 D6.2@117.337,113.51 ; v1(118.364,101.854) 118.316,101.902 K5.1@118.316,103.007 118.316,104.523 116.935,105.904 116.935,110.91 117.337,111.312 D6.2@117.337,113.51 ; K4.1@122.476,110.607 122.793,110.607 122.999,110.401 122.999,108.568 124.333,107.234 v1(124.333,101.854) 125.219,100.968 125.219,93.632 127.4,91.452 132.48,91.452 ; K4.6@128.476,105.207 128.952,105.207 129.158,105.001 129.158,104.476 130.299,103.335 130.299,93.632 132.48,91.452 ; A1.CN8_15@136.525,89.027 134.1,91.452 132.48,91.452
  Bottom Layer w0.254: 67.277,111.379 67.362,111.464 P19.1@67.903,111.464 ; v1@104.383,113.041 v1(104.521,112.903) v1(115.697,112.903) ; v1(118.364,101.854) v1(124.333,101.854)
  other v1: 47.879,96.901 49.276,111.76
V-RAW: F1.1 TP2.1 V-RAW.A1 V-RAW.A2 | length 10
  Top Layer w0.254: TP2.1@22.733,111.506 22.733,115.067 V-RAW.A2@27.3,119.634
VSENSE: R36.1 R42.2 TP5.1 U5.4 | length 54.4
  Top Layer w0.254: U5.4@24.067,87.249 26.66,87.249 26.914,87.503 v1(27.051,87.503) ; v1(44.196,86.233) 44.196,98.044 49.022,102.87 52.197,102.87 53.372,104.045 53.372,107.699 54.61,108.937 R36.1@54.61,109.093 ; R42.2@51.689,109.204 R36.1@54.61,109.204 ; TP5.1@54.61,110.744 R36.1@54.61,109.204 ; R36.1@54.737,109.093 54.626,109.204 R36.1@54.61,109.204
  Bottom Layer w0.254: v1(27.051,87.503) 33.597,87.503 34.867,86.233 v1(44.196,86.233)
pads on no net: "Drvr E-Stop." "Ext E-Stop." "Fan Speed." "HV CAN." "Lim Out." "MCC Interface.M1" "MCC Interface.M2" "MCC Interface.P1" "MCC Interface.P2" A1. A1.CN7_1 A1.CN7_3 A1.CN7_5 A1.CN7_7 A1.CN7_9 A1.CN7_10 A1.CN7_11 A1.CN7_12 A1.CN7_13 A1.CN7_14 A1.CN7_15 A1.CN7_16 A1.CN7_17 A1.CN7_18 A1.CN7_19 A1.CN7_20 A1.CN8_1 A1.CN8_2 A1.CN8_4 A1.CN8_6 A1.CN8_8 A1.CN8_10 A1.CN8_12 A1.CN9_2 A1.CN9_4 A1.CN9_6 A1.CN9_8 A1.CN9_10 A1.CN9_13 A1.CN9_14 A1.CN9_16 A1.CN9_17 A1.CN9_18 A1.CN9_20 A1.CN9_22 A1.CN9_24 A1.CN9_26 A1.CN9_28 A1.CN10_4 A1.CN10_6 A1.CN10_9 A1.CN10_10 A1.CN10_11 A1.CN10_13 A1.CN10_15 A1.CN10_18 A1.CN10_19 A1.CN10_20 A1.CN10_21 A1.CN10_23 A1.CN10_24 A1.CN10_25 A1.CN10_26 A1.CN10_29 A1.CN10_30 A1.CN10_31 A1.CN10_32 A1.CN10_33 A1.CN10_34 A1.CN11_1 A1.CN11_2 A1.CN11_3 A1.CN11_4 A1.CN11_5 A1.CN11_6 A1.CN11_7 A1.CN11_8 A1.CN11_9 A1.CN11_10 A1.CN11_11 A1.CN11_12 A1.CN11_13 A1.CN11_14 A1.CN11_15 A1.CN11_16 A1.CN11_17 A1.CN11_18 A1.CN11_19 A1.CN11_20 A1.CN11_21 A1.CN11_22 A1.CN11_23 A1.CN11_24 A1.CN11_25 A1.CN11_26 A1.CN11_27 A1.CN11_28 A1.CN11_29 A1.CN11_30 A1.CN11_31 A1.CN11_32 A1.CN11_33 A1.CN11_34 A1.CN11_35 A1.CN11_36 A1.CN11_37 A1.CN11_38 A1.CN11_39 A1.CN11_40 A1.CN11_41 A1.CN11_42 A1.CN11_43 A1.CN11_44 A1.CN11_45 A1.CN11_46 A1.CN11_47 A1.CN11_48 A1.CN11_49 A1.CN11_50 A1.CN11_51 A1.CN11_52 A1.CN11_53 A1.CN11_54 A1.CN11_55 A1.CN11_56 A1.CN11_57 A1.CN11_58 A1.CN11_59 A1.CN11_60 A1.CN11_61 A1.CN11_62 A1.CN11_63 A1.CN11_64 A1.CN11_65 A1.CN11_66 A1.CN11_67 A1.CN11_68 A1.CN11_69 A1.CN11_70 A1.CN11_71 A1.CN11_72 A1.CN12_1 A1.CN12_2 A1.CN12_3 A1.CN12_4 A1.CN12_5 A1.CN12_6 A1.CN12_7 A1.CN12_8 A1.CN12_9 A1.CN12_10 A1.CN12_11 A1.CN12_12 A1.CN12_13 A1.CN12_14 A1.CN12_15 A1.CN12_16 A1.CN12_17 A1.CN12_18 A1.CN12_19 A1.CN12_20 A1.CN12_21 A1.CN12_22 A1.CN12_23 A1.CN12_24 A1.CN12_25 A1.CN12_26 A1.CN12_27 A1.CN12_28 A1.CN12_29 A1.CN12_30 A1.CN12_31 A1.CN12_32 A1.CN12_33 A1.CN12_34 A1.CN12_35 A1.CN12_36 A1.CN12_37 A1.CN12_38 A1.CN12_39 A1.CN12_40 A1.CN12_41 A1.CN12_42 A1.CN12_43 A1.CN12_44 A1.CN12_45 A1.CN12_46 A1.CN12_47 A1.CN12_48 A1.CN12_49 A1.CN12_50 A1.CN12_51 A1.CN12_52 A1.CN12_53 A1.CN12_54 A1.CN12_55 A1.CN12_56 A1.CN12_57 A1.CN12_58 A1.CN12_59 A1.CN12_60 A1.CN12_61 A1.CN12_62 A1.CN12_63 A1.CN12_64 A1.CN12_65 A1.CN12_66 A1.CN12_67 A1.CN12_68 A1.CN12_69 A1.CN12_70 A1.CN12_71 A1.CN12_72 Air_Therm. BMS_Interface. BMS_Interface.6 BMS_Interface.19 BMS_Interface.20 Brk_Therm. DCDC_Therm. HV_Controller. Inertia. K1.2 K1.3 K1.4 K1.7 K2.2 K2.7 K3.2 K3.3 K3.4 K3.7 K4.2 K4.3 K4.4 K4.5 K5.2 K5.3 K5.4 K5.7 K6.2 K6.3 K6.7 MC_Therm. MH1.2 MH2.2 MH3.2 MH4.2 Motor_Therm. MPPT. MPPT_Boost. MPPT_Boost.2 Road_Therm. U1.6 U2.15 U2.19 U5.2 U5.3 U5.5 U6.4 U6.5 U6.11 U6.14 U11.7 U11.8 U11.9 U11.10 U13.10 U13.11 UART. UART.1 V-RAW.M1 V-RAW.M2

## Polygon pours and split planes (outlines as drawn)
V-BUS_FILT on Top Layer "V-BUS_FILT_L01_P016" (solid, pour order 16): 13.335,86.741 15.875,89.281 31.369,89.281 33.528,91.44 33.528,94.488 36.322,97.282 39.878,97.282 39.878,87.63 38.354,86.106 38.227,86.233 35.814,86.233 34.036,88.011 20.955,88.011 20.32,87.376 20.32,83.693 18.034,83.693 17.526,83.185 17.526,79.629 16.383,78.486 14.097,78.486 13.335,79.248
Bus_PreShunt on Top Layer "BUS_PRESHUNT_L01_P015" (solid, pour order 15): 1.651,98.171 31.242,98.171 35.179,102.108 41.656,102.108 41.656,99.187 41.021,98.552 40.132,98.552 39.878,98.298 39.878,97.282 36.322,97.282 33.401,94.361 33.528,94.234 33.528,91.44 31.369,89.281 7.239,89.281 1.016,95.504 1.016,97.536
GND on Top Layer "GND_L01_P025" (solid, pour order 25): 5.588,88.138 11.684,88.138 13.208,86.614 13.208,76.073 12.954,75.819 9.779,75.819 4.953,80.645 4.953,87.503
V-BUS_FILT on Top Layer "V-BUS_FILT_L01_P020" (solid, pour order 20): 34.417,102.743 34.925,102.235 40.767,102.235 41.402,102.87 41.402,107.696 40.767,108.331 35.052,108.331 34.417,107.696
V-POS12V on Top Layer "V-POS12V_L01_P024" (solid, pour order 24): 47.505,108.585 50.419,108.585 50.419,113.411 47.498,113.411
NetR43_1 on Top Layer "NETR43_1_L01_P022" (solid, pour order 22): 50.038,108.585 51.181,107.442 51.181,106.299 52.07,105.41 52.07,103.632 51.435,102.997 48.006,102.997 46.482,104.521 46.482,107.715 47.371,108.585
12V_PreShunt on Top Layer "12V_PRESHUNT_L01_P014" (solid, pour order 14): 49.276,102.489 51.689,102.489 51.732,102.446 51.732,97.036 49.792,97.036 49.53,96.774 49.53,86.741 48.641,85.852 46.355,85.852 44.958,87.249 44.958,98.171
V-RAW on Top Layer "V-RAW_L01_P019" (solid, pour order 19): 2.032,114.046 34.798,114.046 36.576,115.824 36.576,124.714 34.798,126.492 0.508,126.492 0.508,115.697 0.762,115.443 0.762,115.316
NetF1_2 on Top Layer "NETF1_2_L01_P018" (solid, pour order 18): 1.016,110.998 0.762,110.998 0.762,102.743 1.651,101.854 12.065,101.854 12.827,101.092 12.827,98.298 12.954,98.171 12.964,98.181 20.457,98.181 21.209,98.933 21.209,104.146 20.548,104.807 13.237,104.807 13.237,104.973 6.455,111.755 1.773,111.755
NetL1_1 on Top Layer "NETL1_1_L01_P017" (solid, pour order 17): 11.938,98.806 12.446,99.314 12.446,101.219 11.938,101.727 1.27,101.727 0.889,101.346 0.889,99.314 1.397,98.806
V-BUS_FILT on Bottom Layer "V-BUS_FILT_L04_P021" (solid, pour order 21): 34.544,87.757 35.687,86.614 38.862,86.614 39.624,87.376 39.624,90.551 39.624,107.696 38.862,108.458 35.56,108.458 34.544,107.442
V-POS12V on Int2 (PWR) (split plane): 141.73,105.864 141.73,90.986 137.614,86.87 130.229,86.87 107.915,109.185 107.873,109.213 107.823,109.222 44.45,109.222 44.4,109.213 44.358,109.185 43.088,107.915 43.06,107.873 43.051,107.823 43.051,103.378 43.06,103.328 43.088,103.286 52.322,94.053 52.322,13.97 52.331,13.92 52.359,13.878 52.401,13.85 52.451,13.841 135.636,13.841 135.686,13.85 135.728,13.878 152.835,30.986 170.94,30.986 170.94,10.416 0.51,10.416 0.51,126.49 121.104,126.49
V-POS5V on Int2 (PWR) (split plane): 170.94,31.244 152.781,31.244 152.731,31.235 152.689,31.207 135.582,14.099 52.58,14.099 52.58,94.107 52.571,94.157 52.543,94.199 43.309,103.432 43.309,107.769 44.504,108.964 107.769,108.964 130.083,86.649 130.125,86.621 130.175,86.612 137.668,86.612 137.718,86.621 137.76,86.649 141.951,90.84 141.979,90.882 141.988,90.932 141.988,105.918 141.979,105.968 141.951,106.01 121.471,126.49 170.94,126.49
GND on Int1 (GND) (split plane): 170.94,10.416 0.51,10.416 0.51,126.49 170.94,126.49

## Other copper
Int2 (PWR) (plane layer: these items are gaps in the copper):
  lines w0.254: 0,69.596 0,10.033 26.797,10.033 ; 100.584,116.078 100.584,119.253 ; 120.777,127 141.859,105.918 141.859,90.932 137.668,86.741 130.175,86.741 107.823,109.093 48.641,109.093 44.45,109.093 43.18,107.823 43.18,103.378 52.451,94.107 52.451,13.97 135.636,13.97 152.781,31.115 171.45,31.115

## Silkscreen, mask and mechanical layers (free items; w line width, h text height)
Top Overlay:
  drawing of 27 lines, arcs and shapes, not listed
  text "LED + Header Orientation" at 68.583,109.283 h0.76
  text "Pwr----GND" at 78.741,102.171 h0.76
  text "Main IO Rev. C / O. D'Souza   M. Farah / J. Hogan" at 97.028,20.955 h1.27
Mechanical 4:
  lines w0.254: 0,9.906 171.45,9.906 171.45,127.127 0,127.127 0,9.906